# Altium PCB Fast_Servo.PCBDOC (part 6 of 7)
Units mm, origin at the board's own origin, x right, y up, seen from the top; angles counter-clockwise.
Board outline 162.48 x 100 mm, 4 copper layers (Top, GP1(GND), L3, Bot), stack 1.648 mm thick; 621 components, 389 nets, 1909 pads, 971 vias.
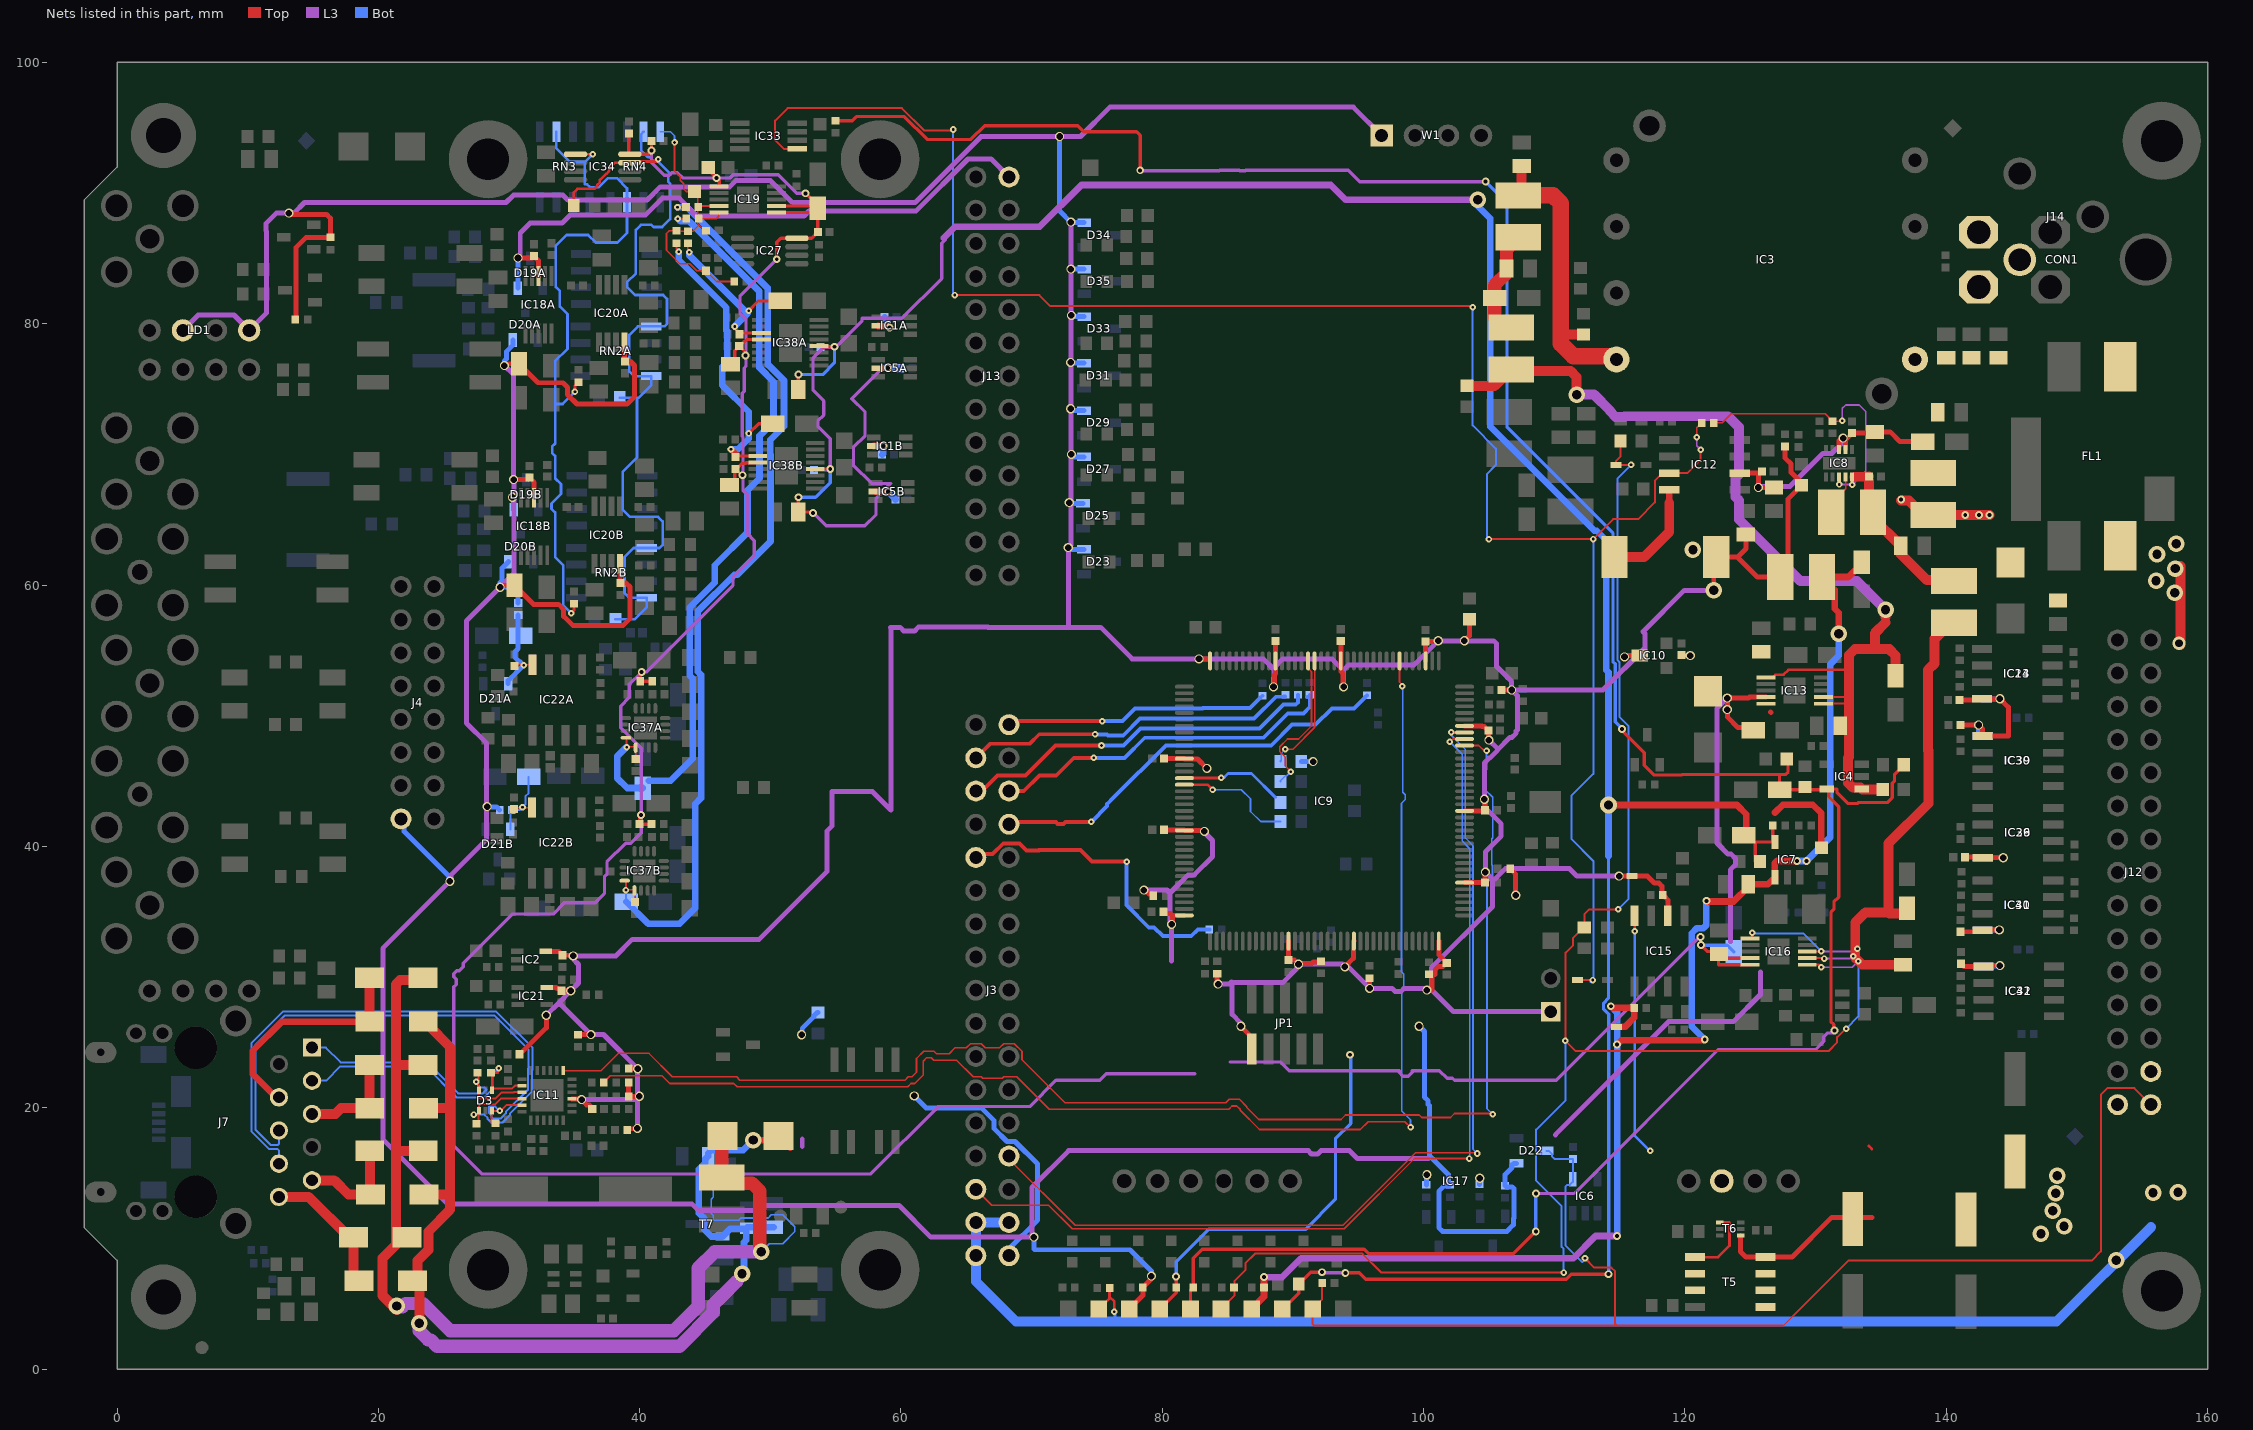
[diagram p8: the nets of this part, all layers, seen from the top]

## Via types
v1: diameter 0.5, hole 0.2, Top to Bot, tented both sides, 767 vias
v2: diameter 0.7, hole 0.5, Top to Bot, tented both sides, 74 vias
v3: diameter 0.6, hole 0.3, Top to Bot, tented both sides, 42 vias
v4: diameter 0.5, hole 0.2, Top to Bot, 40 vias
v5: diameter 1.27, hole 0.711, Top to Bot, tented both sides, 37 vias
v6: diameter 0.5, hole 0.2, Top to Bot, tented bottom, 5 vias
v7: diameter 0.66, hole 0.33, Top to Bot, tented both sides, 5 vias
v8: diameter 1, hole 0.6, Top to Bot, tented both sides, 1 vias

## Nets (pads, with @x,y where several pads share a name; then routed paths per layer and width w, separated by ;. In a path a pad name is that pad's centre, name@x,y a point inside that pad or via, vN(x,y) a via of type N, cw(c..) or ccw(c..) an arc to the next point about the centre after c; other vN are vias at no path point) (continued)
P2V5A: A.2 B.2 C7A.2 C7B.2 C9A.2 C9B.2 C47.2 C55.2 C56.1 C137A.2 C137B.2 IC1A.5 IC1B.5 IC5A.5 IC5B.5 IC7.5 IC38A.12 IC38B.12 R53.2 R152.2 TP10.1 | length 249.3
  Top w0.254: C9A.2@52.146,74.986 v3(52.146,76.118) ; v3(52.15,66.724) C9B.2@52.15,65.593 53.215,65.593 v3(53.275,65.533) ; IC38B.12@53.325,68.872 53.379,68.818 53.447,68.885 v3(54.585,68.885) ; IC38A.12@53.956,78.236 54.127,78.236 54.132,78.241 v3(54.906,78.241) ; TP10.1@89.169,4.597 89.23,4.597 90.445,5.812 R152.2@90.445,6.5 91.362,7.417 v3(92.227,7.417) ; v3(94.005,7.366) 95.081,7.366 95.56,6.887 110.927,6.887 111.305,7.264 v3(114.16,7.264) ; C55.2@125.392,38.846 125.392,40.295 125.442,40.345 IC7.5@126.892,40.345 ; R53.2@126.722,41.596 126.722,40.515 IC7.5@126.892,40.345 ; IC7.5@126.892,39.98 IC7.5@126.892,40.345
  Top w0.508: IC1B.5@57.906,70.647 v3(58.667,70.647) ; IC5B.5@58.059,67.158 v3(59.022,67.158) ; IC1A.5@58.251,79.854 58.28,79.825 58.919,79.825 59.022,79.723 59.114,79.723 v3(59.131,79.705) ; v5(114.148,43.175) 123.985,43.175 124.692,42.468 C56.1@124.692,40.919 ; 126.892,42.596 127.492,43.196 129.785,43.196 130.442,42.539 C47.2@130.442,39.896
  L3 w0.254: v3(53.275,65.533) 54.266,64.541 57.226,64.541 58.09,65.405 58.09,66.65 59.225,67.784 57.748,67.784 56.363,69.169 56.363,70.536 57.252,71.425 57.252,73.25 56.226,74.276 58.784,76.834 ; v3(54.585,68.885) 54.585,71.213 53.649,72.149 53.649,72.566 54.1,73.017 54.1,74.097 53.271,74.926 53.271,77.386 54.096,78.211 55.008,78.211 57.023,80.226 57.023,80.416 60.073,80.416 63.119,83.463 63.119,86.157 63.398,86.436 ; v3(92.227,7.417) 92.278,7.366 v3(94.005,7.366)
  L3 w0.508: 63.271,86.563 64.135,87.427 70.612,87.427 73.812,90.627 92.898,90.627 94.041,89.484 v5(104.14,89.484)
  Bot w0.254: v3(52.146,76.118) 54.013,76.118 54.906,77.01 v3(54.906,78.241) C137A.2@53.901,78.241 ; v3(52.15,66.724) 53.462,66.724 54.585,67.847 v3(54.585,68.885) 54.522,68.822 C137B.2@53.325,68.822 ; 114.148,39.268 114.148,28.377 113.771,28 113.771,27.542 114.16,27.153 v3(114.16,7.264)
  Bot w0.508: C7B.2@58.561,69.988 58.65,70.077 58.65,70.629 v3(58.667,70.647) ; C7A.2@58.747,80.5 58.956,80.291 58.956,79.906 59.131,79.73 v3(59.131,79.705) ; v3@59.008,76.618 v3(59.004,76.614) 59.018,76.6 A.2@59.977,76.6 A.2@59.973,76.597 ; v3(59.022,67.158) 59.022,67.133 59.521,66.633 59.521,66.604 B.2@59.577,66.548 ; v5(104.14,89.484) 104.14,89.021 105.105,88.056 105.105,72.136 113.083,64.159 113.256,64.159 113.983,63.432 113.983,53.489 114.148,53.324 v5(114.148,43.175) 114.148,39.268
P3V3: C4.2 C8.2 C35.1 C37.1 C38.1 C41.1 C43.1 C57.1 C67.1 C70.1 C71.1 C72.1 C73.1 C74.1 C78.1 C84.2 C94.2 C121.2 C144.2 C145.2 C146.2 C147.2 C148.2 D5.1 D22.1 D23.2 D25.2 D27.2 D29.2 D31.2 D33.2 D34.2 D35.2 IC2.5 IC9.6 IC9.17 IC9.30 IC9.39 IC9.52 IC9.62 IC9.72 IC9.84 IC9.95 IC9.108 IC9.121 IC9.131 IC9.144 IC10.3 IC11.9 IC14.8 IC15.6 IC21.5 IC23.1 IC29.8 IC30.1 IC31.8 IC32.1 IC36.1 IC39.8 IC40.1 IC41.8 J3.34 JP1.1 JP2.1 L1.1 L5.2 L7.2 L15.1 LD1.2 LD1.4 R5.1 R13.1 R16.1 R23.1 R31.1 R33.1 R42.1 R43.1 R44.1 R51.1 R65.2 R74.1 R93.1 R97.2 R98.1 R99.1 R139.2 R168.2 R180.2 W1.1 | length 566.6
  Top w0.381: v2(13.157,88.468) 13.259,88.367 16.053,88.367 16.332,88.087 R93.1@16.332,86.613 R93.1@16.332,86.613 14.478,86.614 13.692,85.828 13.692,80.334 R5.1@13.65,80.334 ; L7.2@30.801,24.095 30.83,24.095 32.857,26.123 v2(32.857,27.076) ; IC2.5@32.818,31.973 33.799,31.973 C8.2@34.1,31.673 34.868,31.673 v2(34.922,31.619) ; IC21.5@32.875,29.198 32.885,29.189 33.596,29.189 33.616,29.169 33.675,29.169 33.766,29.078 33.899,29.078 C4.2@34.018,28.958 v2(34.728,28.958) ; IC11.9@34.805,20.653 v2@35.301,20.653 ; R99.1@35.286,25.6 36.262,25.6 v2(36.265,25.603) ; v2@35.754,20.413 35.94,20.228 36.155,20.228 36.429,19.954 C84.2@36.37,19.895 ; R43.1@39.059,18.394 v2@39.827,18.394 ; R44.1@39.151,21.945 39.151,20.865 R42.1@39.161,20.855 39.956,20.855 v2(39.98,20.879) ; R98.1@39.151,23.001 39.836,23.001 v2(39.85,22.987) ; v2(78.588,36.664) 78.674,36.664 78.991,36.346 79.214,36.346 79.313,36.247 R16.1@79.313,36.227 ; C57.1@80.083,35.002 80.203,34.882 80.617,34.882 80.772,34.727 ; C74.1@80.133,41.274 80.157,41.251 81.661,41.251 IC9.95@81.684,41.227 83.149,41.227 v2(83.228,41.148) ; C73.1@80.133,46.727 IC9.84@81.684,46.727 ; v2(80.709,34.036) 80.77,34.097 80.77,34.725 80.772,34.727 ; IC9.108@81.684,34.727 80.772,34.727 ; IC9.84@81.684,46.694 82.693,46.694 v2(83.413,45.974) ; v2(82.809,54.356) 83.505,54.356 IC9.72@83.563,54.298 ; R33.1@84.203,30.266 84.203,29.544 84.267,29.479 v2(84.267,29.464) ; v2(86.011,26.241) 86.844,25.408 JP1.1@86.844,24.5 ; v2(88.512,52.211) 88.581,52.211 88.581,53.152 88.659,53.231 IC9.62@88.659,54.202 C35.1@88.659,55.725 ; IC9.121@89.659,32.752 89.657,32.75 C70.1@89.657,31.3 90.112,31.3 ; v2@90.376,31.036 91.443,31.036 91.572,31.165 92.1,31.165 R13.1@92.159,31.224 ; C37.1@93.659,55.725 IC9.52@93.659,54.202 93.659,53.407 93.836,53.23 93.836,52.444 93.722,52.331 93.843,52.211 v2(93.878,52.211) ; v2(93.98,30.787) 94.627,31.434 94.627,32.719 IC9.131@94.659,32.752 ; v2(95.869,29.14) R31.1@95.869,29.92 ; IC9.39@100.159,54.202 100.159,55.645 C71.1@100.129,55.675 101.054,55.675 v2(101.119,55.74) ; v2(100.25,29) 100.628,29 100.659,29.031 R97.2@100.659,30.174 ; R97.2@100.405,30.21 100.889,30.21 100.889,30.585 101.126,30.822 101.501,30.822 C72.1@101.774,31.094 101.159,31.709 IC9.144@101.159,32.752 ; v2(103.124,55.74) 103.5,56.116 C78.1@103.5,57.375 ; IC9.6@103.134,37.227 C43.1@104.709,37.227 104.709,38.021 v2(104.728,38.04) ; IC9.17@103.134,42.727 104.662,42.727 C38.1@104.709,42.774 104.679,42.804 104.679,43.581 v2(104.648,43.612) ; IC9.30@103.134,49.227 103.145,49.217 104.395,49.217 104.406,49.227 104.463,49.227 104.463,49.172 104.658,49.172 C41.1@104.959,48.871 104.959,48.175 v2(104.999,48.135) ; L15.1@105.969,51.973 v2(106.735,51.973) ; R139.2@106.626,38.296 106.626,38.276 106.726,38.176 106.746,38.176 107.047,37.875 v2(107.047,36.268) ; v2(114.96,37.734) D5.1@115.94,37.734 117.121,37.734 117.669,37.187 118.014,37.187 118.237,36.964 118.237,36.362 R51.1@118.31,36.288 118.31,36.268 118.41,36.169 118.43,36.169 118.689,35.909 IC15.6@118.689,34.689 ; v2(115.375,54.508) 115.477,54.611 IC10.3@116.556,54.611 ; C67.1@119.736,54.646 119.758,54.623 120.387,54.623 v2(120.41,54.601) ; v5(122.204,59.605) 122.204,61.949 L5.2@122.4,62.145 124.02,62.145 ; C121.2@124.667,63.457 124.667,62.792 124.02,62.145 ; R65.2@127.649,70.608 127.649,69.746 128.113,69.281 128.113,68.63 128.93,67.812 C94.2@128.93,67.636 127.899,66.604 127.899,61.231 L1.1@127.292,60.624 125.541,60.624 124.02,62.145 ; C144.2@141.026,51.206 142.637,51.206 IC14.8@142.732,51.301 v2(144.111,51.301) 144.749,50.664 144.749,48.446 IC30.1@142.783,48.446 142.783,48.99 v2(142.477,49.296) C145.2@141.076,49.296 ; C147.2@141.086,33.471 142.674,33.471 IC31.8@142.783,33.58 142.818,33.615 v2(144.057,33.615) ; C146.2@141.127,31.022 141.338,30.811 IC32.1@142.843,30.811 142.912,30.879 v2(144.108,30.879) ; C148.2@141.435,39.176 142.752,39.176 IC29.8@142.793,39.136 v2(144.362,39.136)
  L3 w0.381: LD1.2@5.04,79.5 6.208,80.668 8.952,80.668 LD1.4@10.12,79.5 11.455,80.835 11.455,87.075 11.39,87.141 11.39,87.666 12.192,88.468 v2(13.157,88.468) 13.538,88.468 14.353,89.283 29.774,89.283 30.34,89.848 34.131,89.848 34.521,89.459 40.56,89.459 41.589,90.487 46.887,90.487 47.357,90.957 50.013,90.957 51.687,89.283 61.081,89.283 66.134,94.336 v2(72.137,94.336) 73.736,94.336 75.984,96.584 94.617,96.584 W1.1@96.789,94.412 ; v2(32.857,27.076) 33.823,28.042 ; v2(35.56,20.625) 39.726,20.625 ; v2(39.827,18.415) 39.827,20.523 39.726,20.625 ; 52.444,17.036 52.444,17.601 ; v2(73,87.785) v2(73,84.191) 73,63.068 v2(72.804,62.873) 72.804,56.777 72.796,56.769 ; v2(78.588,36.664) 80.362,36.664 80.592,36.434 ; 80.687,31.239 80.687,34.014 v2(80.709,34.036) 80.592,34.153 80.592,36.434 ; v2(83.228,41.148) 83.228,41.072 83.842,40.459 83.842,39.211 82.453,37.822 81.981,37.822 80.592,36.434 ; v2(84.267,29.464) 85.103,29.464 85.279,29.64 85.344,29.575 ; v2(86.011,26.241) 86.011,26.481 85.344,27.148 85.344,29.575 ; v2(88.512,52.211) 88.512,52.911 88.553,52.953 88.553,53.538 ; v2(93.878,52.211) 93.878,53.447 ; v2(100.25,29) 100.526,29 v2@100.584,29.058 ; v2@100.311,29.14 98.507,29.14 98.279,28.912 97.809,28.912 97.581,29.14 v2(95.869,29.14) 95.869,29.156 94.239,30.787 v2(93.98,30.787) 93.779,30.988 v2(90.424,30.988) 90.424,30.787 89.212,29.575 85.344,29.575 ; v2(104.999,48.135) 105.664,47.47 105.664,47.401 ; JP2.1@109.728,27.359 102.282,27.359 v2@100.584,29.058 ; v2(114.96,37.734) 111.731,37.734 111.163,38.302 106.247,38.302 105.434,37.489 105.279,37.489 ; v5(122.204,59.605) 119.953,59.605 116.788,56.44 116.94,56.288 116.94,55.192 113.721,51.973 v2(106.735,51.973) ; 33.823,28.042 34.728,28.947 v2(34.728,28.958) 35.324,29.555 35.324,30.969 34.922,31.371 v2(34.922,31.619) 38.172,31.619 39.442,32.889 49.145,32.889 54.331,38.075 54.331,41.173 54.73,41.572 54.73,44.209 57.806,44.209 59.225,42.79 59.225,56.752 59.207,56.769 59.934,56.769 60.21,56.492 61.046,56.492 61.331,56.778 66.648,56.778 66.657,56.769 72.796,56.769 ; 33.823,28.042 33.827,28.042 v2(36.265,25.603) 37.234,25.603 v2(39.85,22.987) 39.85,21.008 v2(39.98,20.879) 39.726,20.625 ; 72.796,56.769 75.286,56.769 77.699,54.356 v2(82.809,54.356) 87.735,54.356 88.553,53.538 ; 88.553,53.538 88.553,53.697 89.212,54.356 92.97,54.356 93.878,53.447 ; 93.878,53.447 93.878,53.511 94.239,53.872 99.25,53.872 v2(101.119,55.74) v2(103.124,55.74) 105.365,55.74 105.589,55.517 105.589,53.771 106.735,52.624 v2(106.735,51.973) ; v2@100.584,29.058 100.584,30.708 105.279,35.403 105.279,37.489 ; 105.279,37.489 v2(104.728,38.04) 104.728,39.581 105.934,40.787 105.934,41.733 104.709,42.958 104.709,43.551 v2(104.648,43.612) 104.648,46.385 105.017,46.754 105.051,46.754 105.664,47.367 105.664,47.401 ; 105.664,47.401 106.604,48.341 106.749,48.341 107.082,48.673 107.082,48.819 107.171,48.908 107.171,51.537 v2(106.735,51.973)
  Bot w0.381: v2(52.397,25.59) 52.444,25.636 52.444,26.084 53.337,26.978 53.337,27.028 53.596,27.287 R168.2@53.646,27.287 ; v2(61.011,20.904) 61.918,19.997 66.154,19.997 67.133,19.018 67.133,18.397 68.112,17.418 68.733,17.418 70.46,15.691 70.46,11.398 68.27,9.208 J3.34@68.27,8.68 ; v2(72.137,94.336) 72.137,88.648 v2(73,87.785) 73.044,87.741 D34.2@74.025,87.741 ; v2(72.804,62.873) 72.95,62.727 D23.2@74,62.727 ; v2(72.881,66.318) 72.943,66.256 D25.2@73.925,66.256 ; v2(72.987,73.5) 73.125,73.362 D29.2@74,73.362 ; v2(72.987,77.043) 73.045,76.984 D31.2@74,76.984 ; v2(73,84.191) D35.2@74.025,84.191 ; v2(73.044,70) 73.232,69.812 D27.2@74,69.812 ; v2(73.044,80.644) 73.133,80.555 D33.2@74.025,80.555 ; R180.2@90.643,46.498 90.648,46.493 91.539,46.493 v2(91.543,46.489) ; v2(99.659,26.241) 100.063,25.837 100.063,20.807 100.342,20.529 100.342,20.265 100.444,20.163 100.444,16.335 101.886,14.893 101.886,14.193 101.985,14.094 R23.1@102.005,14.094 101.938,14.027 101.578,14.027 101.16,13.608 101.16,10.826 101.456,10.53 106.367,10.53 106.871,11.034 106.871,11.517 106.905,11.551 106.905,13.804 106.764,13.944 106.33,13.944 R74.1@106.23,14.044 106.23,14.877 106.77,15.417 106.77,15.617 106.905,15.751 D22.1@107.105,15.751 ; v2(142.477,49.296) 142.469,49.287 142.469,48.555 142.578,48.446 IC39.8@142.791,48.446 ; IC23.1@142.732,51.301 v2(144.111,51.301) ; IC40.1@142.783,33.58 142.8,33.598 144.039,33.598 v2(144.057,33.615) ; IC36.1@142.792,39.136 v2(144.362,39.136) ; IC41.8@142.843,30.811 142.878,30.845 144.073,30.845 v2(144.108,30.879)
  other v5: 120.611,62.713
P3V3_MP: C17.2 D22.3 IC6.4 J12.30 R160.1 TP15.1 | length 101.2
  Top w0.152: R160.1@92.24,6.579 92.24,5.33 TP15.1@91.507,4.597 91.507,3.438 91.618,3.327 114.801,3.327 ; v1(112.352,8.484) 113.068,7.768 114.369,7.768 114.663,7.473 114.663,3.465 114.801,3.327 ; J12.30@155.654,20.238 154.393,21.5 152.335,21.5 151.832,20.997 151.832,9.012 151.126,8.306 132.512,8.306 127.533,3.327 114.801,3.327
  Bot w0.152: D22.3@109.405,16.701 109.59,16.701 109.839,16.452 109.839,16.267 110.019,16.087 C17.2@111.42,16.087 IC6.4@111.42,14.533 111.42,14.323 111.196,14.099 110.985,14.099 110.846,13.959 110.846,9.474 112.136,8.183 112.352,8.399 v1(112.352,8.484)
P3V3A: C50.1 C53.2 D2.1 IC7.1 L1.2 R100.2 R159.1 TP11.1 | length 108.4
  Top w0.508: TP11.1@86.831,4.597 87.785,5.551 R159.1@87.785,6.25 v3(87.785,7.036) ; v3(114.325,27.771) 114.449,27.648 R100.2@116.11,27.648 116.11,26.888 115.41,26.188 D2.1@114.77,26.188 ; v3(114.808,24.841) 115.139,25.172 121.464,25.172 v3(121.514,25.222) ; v3(121.641,35.839) 121.691,35.789 123.728,35.789 124.842,36.902 C53.2@124.842,37.096 126.343,37.096 IC7.1@126.892,37.645 ; IC7.1@126.867,37.645 126.867,38.708 127.046,38.887 v3(128.575,38.887) ; v5(131.775,56.288) 131.775,57.886 131.47,58.191 131.47,59.645 L1.2@130.492,60.624 132.509,60.624 133.542,61.657 C50.1@133.542,61.752
  L3 w0.508: v3(87.785,7.036) 89.179,7.036 90.627,8.484 111.46,8.484 113.161,10.185 v3(114.808,10.185)
  Bot w0.508: v3(114.325,27.771) 114.808,27.288 v3(114.808,24.841) v3(114.808,10.185) ; v3(121.514,25.222) 120.515,26.221 120.515,33.354 120.914,33.753 121.411,33.753 121.641,33.983 v3(121.641,35.839) ; v3(128.575,38.887) v3(129.292,38.887) 131.128,40.723 131.128,53.955 131.775,54.601 v5(131.775,56.288)
P3V3SW: IC12.8 L5.1 | length 8.2
  Top w0.508: 118.799,66.278 IC12.8@118.799,67.298
  Top w0.762: L5.1@114.6,62.145 116.882,62.145 118.799,64.062 118.799,66.278
P5V0A: C6A.2 C6B.2 C20.2 C22.2 C54A.2 C54B.2 C112.2 C115.1 C122.2 C139.1 C152.2 IC16.9 IC16.10 IC19.1 IC19.2 IC19.6 IC27.8 IC34.8 IC38A.4 IC38B.4 L16A.1 L16B.1 R151.1 R164A.1 R164B.1 TP13.1 | length 273
  Top w0.254: C20.2@39.171,94.575 39.171,93.051 IC34.8@39.246,92.976 40.686,92.976 40.64,93.022 40.887,93.269 v3(40.913,93.269) C22.2@40.913,94.001 ; v3(40.111,42.407) 39.998,42.407 L16B.1@39.998,41.704 R164B.1@40.904,41.704 ; v3(40.156,53.345) 40.043,53.345 L16A.1@40.043,52.642 R164A.1@40.949,52.642 ; C122.2@45.55,91.97 45.55,91.485 v3(45.873,91.162) ; IC19.6@46.087,90.515 46.087,90.948 ; C6A.2@47.246,77.036 47.286,77.076 47.286,77.955 C54A.2@47.622,78.291 ; C6B.2@47.25,67.643 47.29,67.683 47.29,68.561 ; v3@47.69,68.515 C54B.2@47.321,68.883 47.394,68.883 47.815,69.305 48.106,69.305 48.169,69.368 48.467,69.368 48.471,69.372 IC38B.4@49.175,69.372 ; v3(48.104,77.572) 48.104,77.809 C54A.2@47.622,78.291 ; IC38A.4@49.337,78.794 48.191,78.794 48.191,78.787 48.042,78.638 47.97,78.638 C54A.2@47.622,78.291 ; IC19.1@50.487,88.515 53.319,88.515 C139.1@53.635,88.83 ; IC19.2@50.487,89.015 53.45,89.015 C139.1@53.635,88.83 ; v3(50.495,84.938) 50.495,86.233 50.812,86.55 IC27.8@52.03,86.55 53.155,86.55 C152.2@53.635,87.03 C139.1@53.635,88.83 ; v3(52.705,89.986) 53.635,89.056 C139.1@53.635,88.83 ; TP13.1@79.818,4.597 81.059,5.839 R151.1@81.059,6.25 v3(81.059,7.095) ; v3(121.235,32.448) 121.716,31.966 122.405,31.966 C112.2@122.6,31.771 ; C112.2@122.701,31.872 C112.2@122.788,31.785 ; C112.2@123.173,32.169 C112.2@122.788,31.785 ; IC16.10@124.962,30.948 122.562,30.948 122.562,31.733 C112.2@122.6,31.771 ; IC16.9@124.962,31.448 123.125,31.448 C112.2@122.788,31.785 ; C112.2@122.6,31.771 122.775,31.771 C112.2@122.788,31.785
  L3 w0.254: v3(40.913,93.269) 40.913,92.311 41.864,91.36 42.247,91.36 42.46,91.572 42.877,91.572 43.288,91.162 v3(45.873,91.162) 46.933,91.162 47.173,91.402 50.609,91.402 52.025,89.986 v3(52.705,89.986) ; v3(50.495,84.938) 47.676,82.118 47.676,80.823 48.133,80.366 48.133,76.733 47.996,76.596 47.996,74.828 47.846,74.678 47.846,71.399 47.904,71.34 47.904,67.259 48.235,66.929 48.235,63.957 48.781,63.411 48.781,62.243 47.142,60.604 47.142,59.969 40.518,53.345 v3(40.156,53.345) 39.213,52.403 39.213,51.403 38.555,50.745 38.555,49.071 40.111,47.515 v3(40.111,42.407) 40.111,41.043 39.32,40.252 38.937,40.252 37.5,38.815 37.5,37.867 37.303,37.671 37.303,36.395 36.595,35.687 34.239,35.687 33.376,34.823 30.25,34.823 26.488,31.062 26.488,30.779 26.193,30.484 25.995,30.484 25.781,30.27 25.781,30.023 25.955,29.849 25.955,29.431 25.781,29.257 25.781,17.076 27.922,14.935 57.683,14.935 62.84,20.091 69.85,20.091 71.864,22.106 75.229,22.106 75.721,22.598 82.472,22.598 ; 85.201,23.5 89.053,23.5 89.713,22.84 98.124,22.84 98.124,22.708 98.419,22.413 98.837,22.413 99.132,22.708 99.132,22.84 101.205,22.84 101.791,22.254 102.209,22.254 102.365,22.098 110.152,22.098 121.126,33.072 v3(121.196,33.072)
  Bot w0.254: v3(81.059,7.095) 81.059,8.212 83.56,10.713 90.974,10.713 93.25,12.989 93.25,17.618 94.427,18.794 94.427,24.006 v3(94.378,24.055) ; v3(121.235,32.448) 123.225,32.448 C115.1@123.723,31.95
  other v3: 47.879,68.414
P6SW: IC8.9 L3.1 | length 3.2
  Top w0.127: L3.1@131.2,65.578 131.2,66.278 132.3,67.378 IC8.9@132.3,68.278
P6V0: C58.2 C59.2 IC8.8 IC8.10 L3.2 L4.1 R24.2 R57.2 | length 35.2
  Top w0.127: R57.2@122.212,72.415 122.86,72.415 123.554,73.11 130.738,73.11 R24.2@131.3,72.548 132.02,72.548 v1(132.05,72.578) ; v1(132.8,67.678) IC8.10@132.8,68.278 133.189,68.278 C58.2@134.1,68.278 ; 134.1,68.003 C58.2@134.1,68.278 ; C58.2@134.1,68.328 C58.2@134.1,68.278
  Top w0.762: 132.994,68.278 C58.2@134.1,68.328 ; 134.1,68.003 134.1,65.878 L3.2@134.4,65.578 134.4,65.131 C59.2@136.514,63.017 136.514,62.393 138.532,60.376 L4.1@140.487,60.376
  L3 w0.127: v1(131.8,67.705) 132.773,67.705 v1(132.8,67.678) 133.842,68.719 133.842,73.281 133.336,73.787 132.309,73.787 132.05,73.528 v1(132.05,72.578)
P6V0A: C60.1 C61.2 D4.1 IC16.1 IC16.2 IC16.3 IC16.6 L4.2 R18.2 R56.2 R64.1 TP12.1 | length 183
  Top w0.152: TP12.1@84.493,4.597 85.519,5.622 85.519,6.73 86.358,7.569 86.358,8.1 87.096,8.838 95.307,8.838 96.754,7.391 v1(110.719,7.391) ; v1(114.884,35.179) 112.664,35.179 112.295,34.81 R18.2@112.295,33.803 112.245,33.803 111.438,32.996 111.438,32.448 110.871,31.881 110.871,25.152 v1(110.846,25.126) 111.634,24.338 130.988,24.338 131.653,25.004 131.653,25.405 131.948,25.7 132.309,26.06 v1(132.334,26.06) ; R56.2@115.075,71.043 115.075,69.853 114.735,69.513 D4.1@114.735,69.203 v1(115.875,69.203) ; IC16.6@124.962,32.948 125.065,32.948 125.139,33.021 v1(125.139,33.381) ; IC16.1@129.362,30.948 130.248,30.948 v1(130.442,30.754) ; IC16.2@129.362,31.448 130.647,31.448 v1(130.673,31.422) ; IC16.3@129.362,31.948 129.371,31.957 130.433,31.957 v1(130.442,31.966)
  Top w0.762: C61.2@136.692,30.946 133.555,30.946 v1(133.274,31.227) 133.033,31.468 133.033,34.176 133.802,34.945 135.567,34.945 ; C60.1@136.944,34.876 135.636,34.876 135.567,34.945 ; L4.2@140.34,57.125 139.114,55.899 139.114,54.017 138.614,53.517 138.614,47.347 138.629,47.332 138.629,43.282 135.567,40.22 135.567,34.945